# Altium PCB Spektrop2_Processor_Board_V1_draft_v4.PcbDoc (part 3 of 4)
Units mm, origin at the board's own origin, x right, y up, seen from the top; angles counter-clockwise.
Board outline 42 x 42 mm, 8 copper layers (TOP, L1-GND, L2, L3-1V8, L4-PWR, L5, L6-GND, BTM), stack 1.554 mm thick; 281 components, 241 nets, 1443 pads, 627 vias.
Unrouted connection lines stored in the file: 18.
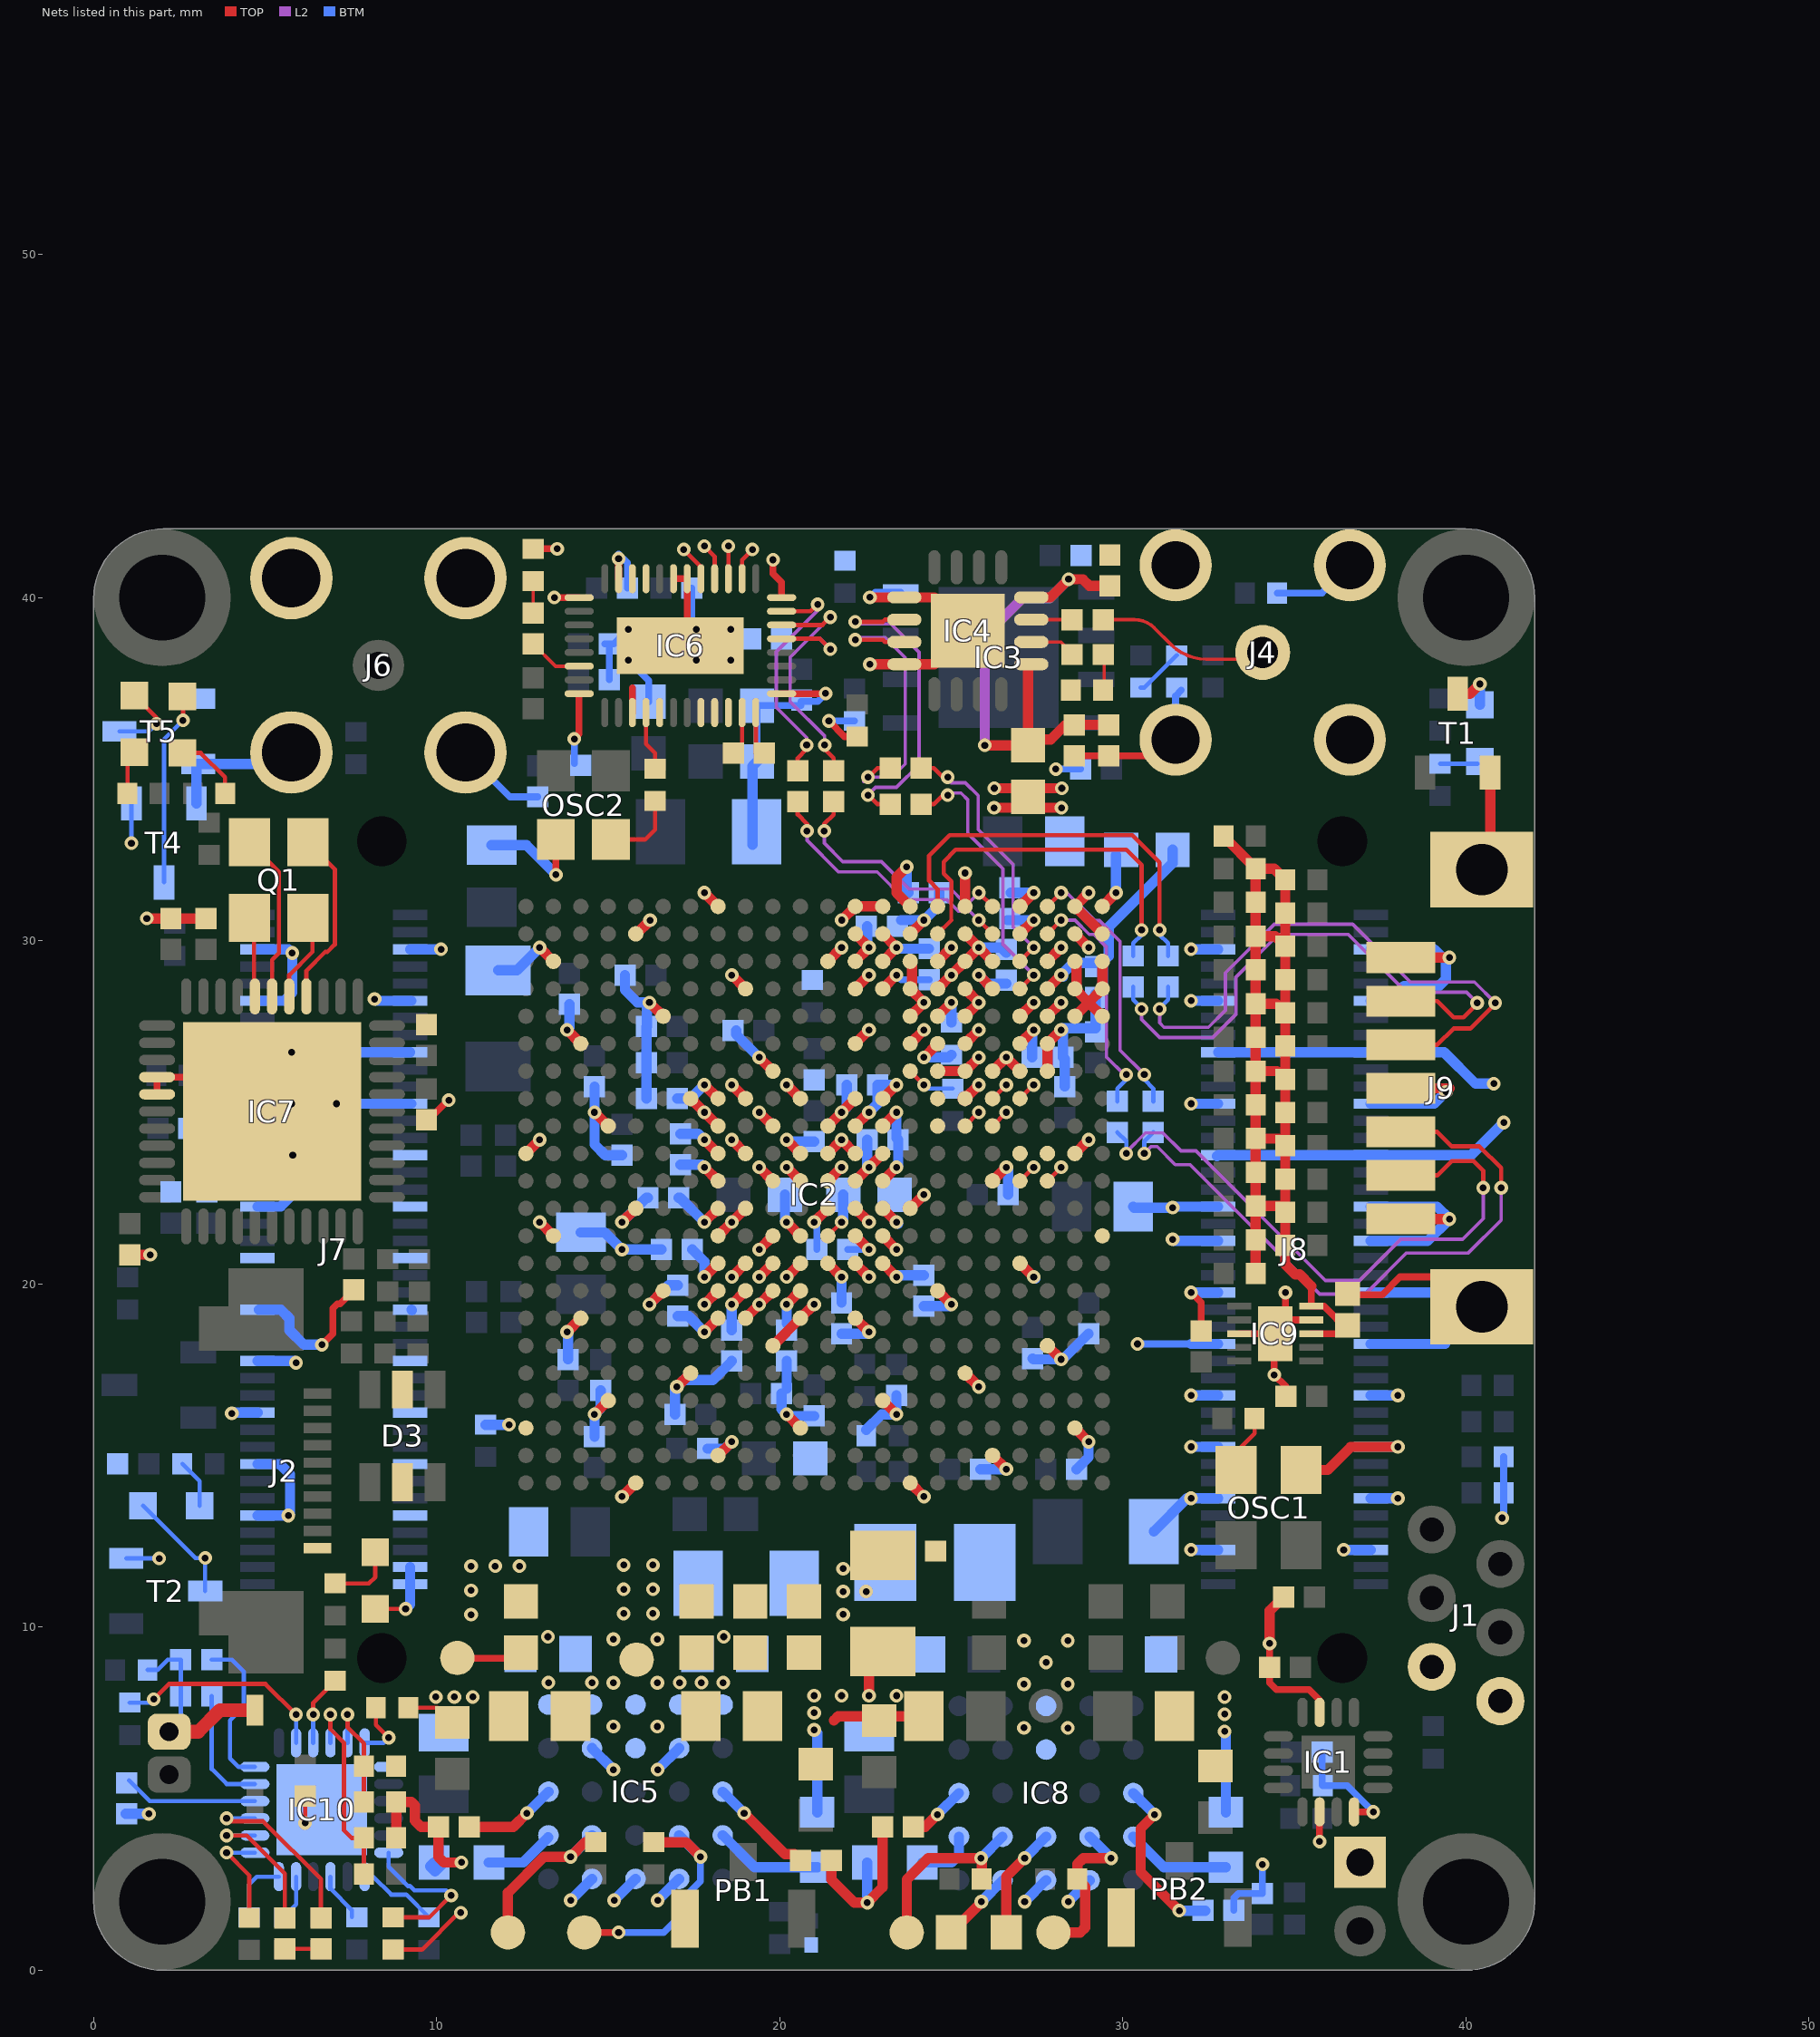
[diagram p9: the nets of this part, all layers, seen from the top]

## Via types
v1: diameter 0.4, hole 0.2, TOP to BTM, 627 vias

## Nets (pads, with @x,y where several pads share a name; then routed paths per layer and width w, separated by ;. In a path a pad name is that pad's centre, name@x,y a point inside that pad or via, vN(x,y) a via of type N, cw(c..) or ccw(c..) an arc to the next point about the centre after c; other vN are vias at no path point) (continued)
GND: C1.1 C2.1 C3.1 C18.2 C19.2 C20.2 C21.2 C22.2 C23.2 C24.2 C25.2 C26.2 C27.2 C28.2 C29.2 C30.2 C31.2 C32.2 C33.2 C34.2 C35.2 C36.2 C37.2 C38.2 C39.2 C40.2 C41.2 C42.2 C43.2 C44.2 C45.2 C46.2 C47.2 C48.2 C49.2 C50.2 C51.2 C52.2 C53.2 C54.2 C55.2 C56.2 C57.2 C58.2 C59.2 C60.2 C61.2 C62.2 C63.2 C64.2 C65.2 C66.2 C67.2 C68.2 C69.2 C70.2 C71.2 C72.2 C73.2 C74.2 C75.2 C76.2 C77.2 C80.2 C81.2 C82.2 C83.2 C84.1 C85.1 C86.1 C87.1 C88.1 C89.1 C90.1 C91.1 C92.1 C93.1 C94.1 C95.1 C96.1 C97.1 C98.1 C99.1 C100.1 C101.1 C102.1 C103.1 C104.1 C105.1 C106.1 C107.1 C113.1 C114.1 C115.1 C116.1 C117.1 C118.1 C119.1 C120.1 C121.1 C122.1 C123.2 C124.1 C125.1 C126.1 C127.1 C128.1 C129.1 C130.1 C131.1 C132.1 C133.1 C134.1 C135.1 D2.2 D3.2 D3.5 IC1.6 IC1.8 IC1.15 IC2.A8 IC2.A18 IC2.AA1 IC2.AA6 IC2.AA9 IC2.AA10 IC2.AA18 IC2.AB2 IC2.AB4 IC2.AB8 IC2.AB9 IC2.AB10 IC2.AB15 IC2.B5 IC2.B15 IC2.C2 IC2.C12 IC2.C22 IC2.D9 IC2.D19 IC2.E6 IC2.E16 IC2.F3 IC2.F13 IC2.G10 IC2.G12 IC2.G14 IC2.G20 IC2.H7 IC2.H13 IC2.H15 IC2.H17 IC2.J4 IC2.J10 IC2.J12 IC2.J14 IC2.K1 IC2.K9 IC2.K13 IC2.K15 IC2.K21 IC2.L8 IC2.L10 IC2.L11 IC2.L14 IC2.L18 IC2.M5 IC2.M9 IC2.M11 IC2.M12 IC2.M13 IC2.M15 IC2.N2 IC2.N10 IC2.N11 IC2.N12 IC2.N14 IC2.N22 IC2.P9 IC2.P11 IC2.P13 IC2.P15 IC2.P19 IC2.R6 IC2.R10 IC2.R12 IC2.R14 IC2.R16 IC2.T3 IC2.T4 IC2.T5 IC2.T6 IC2.T7 IC2.T13 IC2.U3 IC2.U10 IC2.U20 IC2.V1 IC2.V2 IC2.V3 IC2.V4 IC2.V6 IC2.V8 IC2.V17 IC2.W1 IC2.W2 IC2.W6 IC2.W7 IC2.W8 IC2.W10 IC2.W14 IC2.Y1 IC2.Y2 IC2.Y3 IC2.Y5 IC2.Y6 IC2.Y8 IC2.Y9 IC2.Y10 IC2.Y11 IC2.Y21 IC3.4 IC4.1 IC4.4 IC4.17 IC5.B5 IC5.C1 IC5.C2 IC5.C5 IC5.D5 IC6.1 IC6.8 IC6.14 IC6.15 IC6.19 IC6.21 IC6.28 IC6.31 IC6.37 IC6.38 IC6.41 IC7.15 IC7.16 IC7.45 IC8.B5 IC8.C1 IC8.C2 IC8.C5 IC8.D5 IC9.4 IC9.8 IC9.11 IC10.7 IC10.25 J1.5 J1.6 J2.10 J4.2 J5.2 J6.2 J7.5 J7.6 J7.11 J7.12 J7.17 J7.18 J7.23 J7.24 J7.29 J7.30 J7.35 J7.36 J7.41 J7.42 J7.47 J7.48 J7.53 J7.54 J7.59 J7.60 J7.65 J7.66 J7.71 J7.72 J7.77 J7.79 J8.5 J8.6 J8.11 J8.12 J8.17 J8.18 J8.23 J8.24 J8.29 J8.30 J8.35 J8.36 J8.39 J8.40 J8.45 J8.46 J8.51 J8.52 J8.57 J8.58 J8.63 J8.64 J8.69 J8.70 J8.75 J8.76 J9.1 J9.4 J9.7 J9.8 L2.2 LD7.2 OSC1.2 OSC2.2 PB1.2 PB2.2 R3.1 R9.1 R15.2 R16.2 R17.2 R18.2 R20.2 R27.2 R28.2 R29.2 R31.1 R32.1 R33.1 R36.1 R37.1 R40.1 R50.1 R52.1 R53.1 R54.1 R59.1 R66.2 R78.2 T1.2 T2.2 T4.2 T5.2 | length 310.5
  TOP w0.125: C103.1@5.575,0.62 C107.1@6.625,0.62 ; v1(6.164,4.289) C102.1@6.164,5.075 ; LD7.2@8.209,10.528 v1(9.092,10.528) ; R53.1@8.725,0.6 9.575,0.6 10.65,1.675 v1(10.701,1.675) ; R52.1@9.167,7.65 10.02,7.65 C86.1@10.45,7.22
  TOP w0.2: IC7.16@1.85,25.525 IC7.15@1.85,26.025 IC7.45@4.2,26.025 ; v1(6.65,18.225) 6.97,18.545 6.97,19.284 7.11,19.423 7.179,19.423 C117.1@7.58,19.825 ; C116.1@9.704,24.726 10.337,25.359 10.343,25.359 v1(10.351,25.351) ; R66.2@12.812,41.42 v1(13.51,41.42) ; v1(13.429,40) IC6.21@14.15,40 ; v1(13.475,31.925) OSC2.2@13.475,32.95 ; v1(14.009,35.881) 14.15,36.022 IC6.28@14.15,37.2 ; IC6.19@15.3,40.55 v1(15.3,41.135) ; IC6.31@15.7,36.65 15.7,37.371 ; IC6.15@16.9,40.55 IC6.14@17.3,40.55 17.3,38.8 IC6.41@17.1,38.6 ; v1(19.8,41.1) 19.8,40.7 20.05,40.45 IC6.8@20.05,40 ; IC6.1@20.05,37.2 21.328,37.2 v1(21.335,37.208) ; v1(21.429,36.405) 21.886,35.948 R15.2@22.256,35.948 ; C82.2@28.582,35.392 C81.2@29.591,35.392 31.067,35.392 J4.2@31.535,35.86 ; v1(31.985,19.75) 32.275,19.46 C122.1@32.275,18.625 ; IC9.8@33.388,18.55 IC9.11@34.375,18.55 ; v1(34.276,9.522) C1.1@34.276,8.819 34.276,8.378 34.478,8.176 35.429,8.176 35.733,7.872 IC1.15@35.733,7.513 ; IC9.11@34.375,18.95 IC9.4@35.488,18.95 ; IC9.11@34.413,17.95 v1(34.413,17.35) 34.747,17.015 C123.2@34.747,16.729 ; IC9.11@34.738,19.15 v1(34.738,19.75) ; v1(35.733,3.75) IC1.6@35.733,4.613 ; C124.1@36.55,19.685 37.56,19.685 38.079,20.204 39.586,20.204 J9.8@40.46,19.33 ; IC1.8@36.733,4.613 v1(37.295,4.613)
  TOP w0.3: C119.1@1.05,20.85 v1(1.65,20.85) ; v1(1.55,30.65) C120.1@2.25,30.65 C121.1@3.275,30.65 ; v1(5.789,29.642) v1@5.789,29.664 ; IC7.45@7.05,25.275 v1(7.075,25.25) ; R50.1@8.817,3.853 R54.1@8.817,4.902 9.258,4.902 9.362,4.797 9.362,4.357 9.543,4.176 C90.1@10.05,4.176 10.05,3.3 10.21,3.14 v1(10.72,3.14) ; IC2.N22@12.599,23.8 v1(12.999,24.2) ; v1(12.999,21.8) IC2.K21@13.399,21.4 ; v1(12.999,29.8) IC2.Y21@13.399,29.4 ; v1(13.799,18.6) IC2.G20@14.199,19 ; v1(13.799,27.4) IC2.U20@14.199,27 ; v1(14.599,16.2) IC2.D19@14.999,16.6 ; v1(14.599,25) IC2.P19@14.999,24.6 ; v1(15.399,13.8) IC2.A18@15.799,14.2 ; v1(15.399,21.8) IC2.L18@15.799,22.2 ; IC2.AA18@15.819,30.195 v1(16.219,30.595) ; v1(16.199,19.4) IC2.H17@16.599,19.8 ; v1(16.199,28.2) IC2.V17@16.599,27.8 ; v1(16.999,17) IC2.E16@17.399,17.4 ; IC2.R16@17.399,25.4 IC2.P15@18.199,24.6 ; v1(17.799,19.4) IC2.H15@18.199,19.8 ; v1(17.799,23.4) IC2.M15@18.199,23 ; v1(17.799,31.4) IC2.AB15@18.199,31 ; IC2.B15@18.199,15 v1(18.599,15.4) ; IC2.K15@18.199,21.4 v1(18.599,21.8) IC2.L14@18.999,22.2 ; v1(18.599,20.2) IC2.J14@18.999,20.6 ; v1(18.599,24.2) IC2.N14@18.999,23.8 ; v1(18.599,25.8) IC2.R14@18.999,25.4 ; v1(18.599,29) IC2.W14@18.999,28.6 ; IC2.G14@18.999,19 v1(19.399,19.4) IC2.H13@19.799,19.8 ; v1(19.399,21) IC2.K13@19.799,21.4 ; v1(19.399,23.4) IC2.M13@19.799,23 ; v1(19.399,25) IC2.P13@19.799,24.6 ; v1(19.399,26.6) IC2.T13@19.799,26.2 ; IC2.F13@19.799,18.2 IC2.G12@20.599,19 v1(20.999,19.4) ; v1(20.199,16.2) IC2.C12@20.599,15.8 ; v1(20.199,20.2) IC2.J12@20.599,20.6 ; v1(20.199,23.4) IC2.M12@20.599,23 ; v1(20.199,24.2) IC2.N12@20.599,23.8 ; v1(20.199,25.8) IC2.R12@20.599,25.4 ; v1(20.999,21.8) IC2.L11@21.399,22.2 ; IC2.M11@21.399,23 v1(21.799,23.4) ; IC2.N11@21.399,23.8 v1(21.799,24.2) IC2.N10@22.199,23.8 ; IC2.P11@21.399,24.6 IC2.R10@22.199,25.4 ; IC2.Y11@21.399,29.4 v1(21.799,29.8) ; C89.1@21.5,3.2 21.5,2.64 22.17,1.97 v1(22.55,1.97) 22.99,2.41 C99.1@22.99,4.173 ; 21.575,7.275 21.7,7.4 C100.1@24.2,7.4 ; v1(21.8,30.599) IC2.AB10@22.2,30.999 ; IC2.G10@22.199,19 v1(22.599,18.6) ; IC2.J10@22.199,20.6 v1(22.599,20.2) ; IC2.L10@22.199,22.2 v1(22.599,21.8) ; IC2.U10@22.199,27 v1(22.599,27.4) ; IC2.W10@22.199,28.6 v1(22.599,29) ; IC2.Y10@22.199,29.4 v1(22.599,29.8) IC2.AA10@22.199,30.2 ; IC2.AB10@22.199,31 IC2.AB9@22.999,31 ; v1(22.6,8) C55.2@22.6,8.888 ; v1(22.626,38.056) IC4.4@23.629,38.056 24.504,38.056 IC4.17@25.479,39.031 24.504,40.006 IC4.1@23.629,40.006 v1(22.626,40.006) ; IC2.D9@22.999,16.6 v1(23.399,16.2) ; IC2.K9@22.999,21.4 v1(23.399,21) ; IC2.M9@22.999,23 v1(23.399,23.4) ; IC2.P9@22.999,24.6 v1(23.399,25) ; IC2.Y9@22.999,29.4 v1(23.399,29.8) IC2.AA9@22.999,30.2 ; v1(23.7,32.15) 23.4,31.85 23.4,31.399 IC2.AB8@23.799,31 ; IC2.A8@23.799,14.2 v1(24.199,13.8) ; IC2.L8@23.799,22.2 v1(24.199,22.6) ; IC2.V8@23.799,27.8 v1(24.199,28.2) IC2.W8@23.799,28.6 23.849,28.65 23.849,29.4 IC2.Y8@23.799,29.4 ; IC2.H7@24.599,19.8 v1(24.999,19.4) ; IC2.T7@24.599,26.2 IC2.T6@25.399,26.2 v1(25.799,26.6) ; IC2.W7@24.599,28.6 v1(24.999,29) IC2.Y6@25.399,29.4 25.799,29.799 v1(25.8,29.799) ; R40.1@25,1.1 25.875,1.975 v1(25.875,1.995) ; IC2.E6@25.399,17.4 v1(25.799,17) ; IC2.R6@25.399,25.4 v1(25.799,25.8) ; IC2.V6@25.399,27.8 v1(25.799,28.2) IC2.W6@25.399,28.6 ; IC2.AA6@25.399,30.2 v1(25.8,29.799) ; IC2.B5@26.199,15 v1(26.599,14.6) ; IC2.M5@26.199,23 v1(26.599,23.4) ; IC2.T5@26.199,26.2 v1(26.599,26.6) IC2.T4@26.999,26.2 ; IC2.Y5@26.2,29.399 v1(25.8,29.799) ; IC2.J4@26.999,20.6 v1(27.399,20.2) ; IC2.V4@26.999,27.8 v1(27.399,28.2) ; IC2.AB4@26.999,31 v1(27.399,31.4) ; IC2.F3@27.799,18.2 v1(28.199,17.8) ; IC2.T3@27.799,26.2 IC2.U3@27.799,27 v1(28.199,27.4) ; IC2.V3@27.799,27.8 v1(28.199,28.2) ; IC2.Y3@27.799,29.4 v1(28.199,29.8) ; IC2.C2@28.599,15.8 v1(28.999,15.4) ; IC2.N2@28.599,23.8 v1(28.999,24.2) ; IC2.V2@28.599,27.8 28.999,28.2 ; IC2.Y2@28.599,29.4 28.649,29.4 28.649,28.65 IC2.W2@28.599,28.6 28.999,28.2 ; v1(28.999,31.4) IC2.AB2@28.599,31 IC2.AA1@29.399,30.2 ; IC2.V1@29.399,27.8 28.999,28.2 ; IC2.Y1@29.399,29.4 IC2.W1@29.399,28.6 28.999,28.2 ; v1(34.276,9.522) 34.276,10.473 C74.2@34.68,10.876 ; OSC1.2@35.193,14.578 35.972,14.578 36.643,15.25 v1(38.015,15.25) ; J9.7@38.1,21.89 v1(39.515,21.89) ; J9.4@38.1,25.7 v1@39.515,25.7 ; J9.1@38.1,29.51 v1(39.515,29.51) ; J9.8@40.703,32.313 T1.2@40.703,34.897
  TOP w0.4: J5.2@2.2,6.95 3.05,6.95 3.675,7.575 D2.2@4.7,7.575
  L2 w0.2: v1(10.351,25.351) v1@10.351,25.424
  BTM w0.125: T2.2@0.95,12 v1(1.91,12) ; R59.1@1.57,8.75 1.86,8.75 2.158,9.048 C104.1@2.54,9.048 C105.1@2.54,7.988 2.54,7.29 J5.2@2.2,6.95 ; IC10.25@6.15,4.275 v1(6.164,4.289) ; v1(10.701,1.675) v1@10.725,1.7
  BTM w0.2: J6.2@10.84,35.485 12.133,34.192 C113.1@12.944,34.192 ; C128.1@14.009,35.16 v1(14.009,35.881) ; C132.1@14.897,38.649 15.167,38.649 v1(15.589,39.071) ; C133.1@15.034,37.61 C132.1@15.034,38.649 ; v1@15.3,41.271 15.556,41.015 C125.1@15.556,40.281 ; v1(15.589,38.171) 16.175,37.585 C127.1@16.175,36.964 ; C126.1@17.439,40.277 17.439,39.196 v1(17.564,39.071) ; C131.1@19.337,35.268 C130.1@19.337,36.851 C129.1@20.614,36.851 ; v1(20.199,16.2) v1@20.249,16.15 ; C129.1@20.614,36.972 21.1,36.972 v1(21.335,37.208) ; v1(20.999,21.8) 21.083,21.715 C56.2@21.083,21.002 ; v1(21.429,36.405) R17.2@22.17,36.405 ; v1(22.626,40.006) 22.78,40.159 IC3.4@23.52,40.159 ; v1(28.043,35.002) C77.2@28.77,35.002 ; v1(30.425,18.25) 31.985,18.25 ; J4.2@31.535,35.86 31.535,37.135 R27.2@31.7,37.3 ; C98.1@33.23,1.741 33.23,2.099 33.366,2.235 C76.2@34.066,2.235 v1(34.066,3.084) ; R16.2@34.495,40.125 35.8,40.125 J4.2@36.615,40.94 ; C2.1@35.805,6.356 35.805,5.389 R3.1@35.821,5.372 36.535,5.372 v1(37.295,4.613) ; v1(41.051,13.177) 41.097,13.222 R29.2@41.097,13.915 R28.2@41.097,14.96
  BTM w0.3: C106.1@0.931,4.555 v1(1.611,4.555) ; T4.2@3,34 T5.2@3,35.1 ; T5.2@3.05,35.15 5.425,35.15 J6.2@5.76,35.485 ; v1(4.025,16.226) 4.049,16.25 J7.60@4.775,16.25 ; J7.72@4.775,13.25 v1(5.675,13.25) 5.725,13.3 5.725,14.45 5.425,14.75 J7.66@4.775,14.75 ; J7.54@4.775,17.75 5.851,17.75 v1(5.9,17.701) ; J7.36@4.775,22.25 5.45,22.25 5.804,22.604 v1(5.804,23.75) J7.30@4.775,23.75 ; J7.18@4.775,26.75 v1(5.764,26.75) ; J7.12@4.775,28.25 5.55,28.25 5.789,28.489 v1(5.789,29.642) 5.681,29.75 J7.6@4.775,29.75 ; J7.48@4.814,19.25 5.45,19.25 5.706,18.994 5.706,18.654 6.135,18.225 v1(6.65,18.225) ; J7.24@4.814,25.25 v1(5.764,25.25) ; v1(8.188,28.3) 8.237,28.25 J7.11@9.225,28.25 J7.11@9.264,28.25 ; v1(9.092,10.528) 9.225,10.661 J7.79@9.225,11.25 J7.77@9.225,11.75 ; J7.17@9.225,26.75 7.514,26.75 7.075,26.311 v1(7.075,25.25) J7.23@9.225,25.25 J7.23@9.264,25.25 ; J7.5@9.225,29.75 v1(10.125,29.75) ; J7.47@9.264,19.25 J7.47@9.277,19.238 ; R32.1@9.92,3.14 9.805,3.025 9.95,2.88 10.21,3.14 v1(10.72,3.14) ; R20.2@11.425,15.895 v1(12.105,15.895) ; C29.2@11.598,32.782 12.618,32.782 v1(13.475,31.925) ; C66.2@11.789,29.135 12.335,29.135 v1(12.999,29.8) ; v1(13.799,18.6) 13.824,18.575 C63.2@13.824,17.8 ; v1(13.799,27.4) 13.869,27.47 C43.2@13.869,28.15 ; v1(13.904,2.035) IC5.B5@14.529,2.66 ; C32.2@14.199,21.5 14.899,21.5 v1(15.399,21) C37.2@16.549,21 ; C65.2@14.599,15.55 v1(14.599,16.2) ; v1(14.599,16.2) 14.779,16.379 C70.2@14.779,16.892 ; C45.2@14.599,25.75 v1(14.599,25) 14.599,24.062 14.912,23.75 C64.2@15.399,23.75 ; v1(15.17,2.035) IC5.C5@15.795,2.66 ; v1(15.399,21.8) 16.109,22.51 C34.2@16.149,22.51 ; C31.2@15.486,28.991 15.486,28.565 15.852,28.2 v1(16.199,28.2) 16.124,28.125 16.124,27.5 16.114,27.49 16.114,26.5 C22.2@16.114,25.4 ; v1(16.199,19.4) 16.759,19.96 C35.2@17.024,19.96 ; v1(16.44,2.035) IC5.D5@17.065,2.66 ; C53.2@16.949,16.2 16.949,16.95 v1(16.999,17) 17.199,17.2 18.049,17.2 C33.2@18.599,17.75 ; C39.2@17.099,23.475 17.724,23.475 v1(17.799,23.4) ; C71.2@17.899,15.2 18.399,15.2 v1(18.599,15.4) ; C44.2@18.724,27.385 18.724,27.275 v1(19.399,26.6) ; C52.2@19.2,32.8 19.2,35.086 C131.1@19.337,35.224 C131.1@19.356,35.242 ; C72.2@20.049,16.8 20.049,16.35 v1(20.199,16.2) ; C72.2@20.199,16.95 C25.2@20.199,17.75 ; v1(20.199,24.2) 20.249,24.15 C51.2@20.999,24.15 ; v1(20.199,25.8) v1@20.209,25.79 ; v1@20.249,16.15 C54.2@20.999,16.15 ; v1@20.949,19.35 v1(20.999,19.4) ; v1(21,7) 21.09,6.91 R33.1@21.09,4.6 ; C36.2@21.799,18.55 22.549,18.55 v1(22.599,18.6) ; v1(21.799,25) 21.949,25.15 C38.2@21.949,25.8 ; R78.2@22.521,15.749 22.971,16.2 v1(23.399,16.2) C50.2@23.399,16.75 ; C18.2@22.541,30.425 22.541,29.858 v1(22.599,29.8) ; v1(22.55,1.97) R36.1@22.55,3.14 ; v1(23.399,23.4) 23.449,23.45 C57.2@23.449,24.2 23.399,24.25 v1(23.399,25) ; v1(23.399,29.8) 23.431,29.768 C47.2@24.349,29.768 ; v1(23.7,32.15) 23.7,31.449 C20.2@23.749,31.4 ; C23.2@24.199,19.35 24.949,19.35 v1(24.999,19.4) ; v1(25.8,29.799) 26.451,29.799 C46.2@26.6,29.65 ; C61.2@25.849,14.6 v1(26.599,14.6) ; v1(25.875,1.995) IC8.B5@26.5,2.62 ; v1@26.549,23.35 v1(26.599,23.4) 26.649,23.35 C40.2@26.649,22.6 ; C19.2@26.734,31.4 v1(27.399,31.4) ; v1(27.135,1.995) IC8.C5@27.76,2.62 ; C41.2@27.364,17.826 27.391,17.8 v1(28.199,17.8) 28.249,17.8 C27.2@28.999,18.55 ; v1(27.399,20.2) v1@27.449,20.15 ; v1(28.199,29.8) v1@28.234,29.834 ; C42.2@28.3,25.75 28.3,26.549 C48.2@28.249,26.6 28.249,27.35 v1(28.199,27.4) 28.249,27.45 C28.2@29.199,27.45 ; v1(28.405,1.995) IC8.D5@29.03,2.62 ; C60.2@28.652,14.602 28.999,14.948 v1(28.999,15.4) ; C28.2@29.2,27.45 C58.2@29.2,28.45 ; C62.2@30.3,22.25 30.328,22.222 v1(31.45,22.222) ; C69.2@30.898,12.784 31.864,13.75 v1(31.985,13.75) J8.70@32.775,13.75 ; v1@31.503,21.25 J8.40@32.775,21.25 ; v1@31.503,22.25 J8.36@32.775,22.25 ; v1(31.985,12.25) J8.76@32.775,12.25 ; v1(31.985,15.25) J8.64@32.775,15.25 ; v1(31.985,16.75) J8.58@32.775,16.75 ; 31.985,18.25 J8.52@32.775,18.25 ; v1(31.985,19.75) J8.46@32.775,19.75 ; v1(31.985,25.25) J8.24@32.775,25.25 ; v1(31.985,28.25) J8.12@32.775,28.25 ; v1(31.985,29.75) J8.6@32.775,29.75 ; J8.30@32.747,23.722 J8.30@32.775,23.75 J8.29@37.225,23.75 40.15,23.75 v1(41.1,24.7) ; J8.18@32.775,26.75 J8.17@37.225,26.75 39.36,26.75 40.277,25.834 v1(40.811,25.834) ; v1(32.965,6.96) 33,6.925 R37.1@33,4.6 ; v1(36.435,12.25) J8.75@37.225,12.25 ; J8.69@37.225,13.75 v1(38.015,13.75) ; J8.63@37.225,15.25 v1(38.015,15.25) ; J8.57@37.225,16.75 v1(38.015,16.75) ; J8.51@37.225,18.25 J9.8@39.383,18.25 ; J8.45@37.225,19.75 J9.8@39.837,19.75 ; J8.39@37.225,21.25 38.878,21.25 39.517,21.888 39.155,22.25 J8.35@37.225,22.25 ; J8.23@37.225,25.25 39.068,25.25 v1(39.415,25.597) ; J8.11@37.225,28.25 37.764,28.25 38.198,28.684 39.216,28.684 39.415,28.883 39.415,29.407 39.072,29.75 J8.5@37.225,29.75
  other v1: 27.115,7.065 28.395,7.06 15.15,7.105 16.43,7.1 32.965,7.46 21,7.5 9.975,7.961 10.513,7.961 11.05,7.961 32.965,7.96 21,8 21.8,8 23.4,8 27.115,8.335 28.395,8.335 15.15,8.375 16.43,8.375 27.76,8.97 27.115,9.605 28.395,9.605 15.15,9.645 16.43,9.645 31.45,21.297 17.799,25 17.564,38.171 18.564,38.171 18.564,39.071
GS12281_GPIO0: IC2.M4 IC6.36 | length 0.6
  TOP w0.125: IC2.M4@26.999,23 v1(27.399,23.4)
GS12281_GPIO1: IC2.M3 IC6.33 | length 0.6
  TOP w0.125: IC2.M3@27.799,23 v1(28.199,23.4)
GS12281_GPIO2: IC2.R5 IC6.18 | length 0.6
  TOP w0.125: IC2.R5@26.199,25.4 v1(26.599,25.8)
GS12281_GPIO3: IC2.R4 IC6.17 | length 0.6
  TOP w0.125: IC2.R4@26.999,25.4 v1(27.399,25.8)
GS12281_nCS: IC2.P6 IC6.10 | length 1.5
  TOP w0.125: IC6.10@18.9,40.55 18.9,41.1 v1(19.2,41.4) ; IC2.P6@25.399,24.6 v1(25.799,25)
GS12281_SCLK: IC2.P5 IC6.13 | length 1.7
  TOP w0.125: v1(17.2,41.4) v1(17.2,41.4) 17.7,40.902 IC6.13@17.7,40.55 ; IC2.P5@26.199,24.6 v1(26.599,25)
  BTM w0.125: v1@17.2,41.35 v1(17.2,41.4)
GS12281_SDIN: IC2.N4 IC6.11 | length 0.9
  TOP w0.125: IC6.11@18.5,40.55 v1(18.5,41.5)
GS12281_SDOUT: IC2.N3 IC6.12 | length 1.1
  TOP w0.125: v1(17.8,41.5) 18.1,41.2 IC6.12@18.1,40.55
INIT_B: IC2.T8 R8.2 | length 1.4
  TOP w0.125: IC2.T8@23.799,26.2 v1(24.199,25.8)
  BTM w0.125: v1(24.199,25.8) 24.309,25.69 R8.2@25.036,25.69
LED0: IC2.P7 T4.1 | length 1.2
  BTM w0.125: v1(1.1,32.842) T4.1@1.1,34
LED1: IC2.R7 T5.1
MGT_RX0_C_N: C12.2 IC2.AB7 | length 11.7
  TOP w0.125: IC2.AB7@24.599,31 24.599,31.501 24.35,31.75 24.35,32.476 24.949,33.075 30.276,33.075 31.069,32.282 v1(31.069,30.311)
  BTM w0.125: v1(31.069,30.311) 31.069,30.174 31.314,29.929 C12.2@31.314,29.556
MGT_RX0_C_P: C10.2 IC2.AA7 | length 11.2
  TOP w0.1: 24.999,30.6 24.999,31.165
  TOP w0.125: IC2.AA7@24.599,30.2 24.999,30.6 ; 24.999,31.165 24.999,31.731 24.775,31.955 24.775,32.3 25.125,32.65 30.1,32.65 30.544,32.206 v1(30.544,30.311)
  BTM w0.125: C10.2@30.298,29.556 30.298,29.929 30.544,30.174 v1(30.544,30.311)
MGT_RX0_N: C12.1 J9.3 | length 17.2
  TOP w0.125: J9.3@38.1,26.97 39.162,26.97 39.635,27.443 40.126,27.443 40.849,28.165 v1(40.849,28.188)
  L2 w0.1: v1@31.063,27.816 v1@31.069,27.822 ; v1(31.069,28.011) v1@31.069,27.822 ; v1@31.163,27.916 v1@31.069,27.822 ; v1(40.849,28.188) 40.849,28.194 40.244,28.799 38.378,28.799 36.695,30.482 34.412,30.482 32.99,29.06 32.99,27.975 32.491,27.476 31.199,27.476 31.069,27.607 v1@31.069,27.822
  BTM w0.125: v1(31.069,28.011) 31.069,28.038 31.314,28.284 C12.1@31.314,28.656
MGT_RX0_P: C10.1 J9.2 | length 16.4
  TOP w0.125: J9.2@38.1,28.24 39.162,28.24 39.635,27.768 39.927,27.768 40.324,28.164 v1(40.324,28.188)
  L2 w0.1: v1(30.544,28.011) 30.544,27.708 31.075,27.176 32.616,27.176 33.29,27.85 33.29,28.936 34.536,30.182 36.57,30.182 38.254,28.499 40.014,28.499 v1(40.324,28.188)
  BTM w0.125: C10.1@30.298,28.656 30.298,28.284 30.544,28.038 v1(30.544,28.011)
MGT_TX0_C_N: C9.1 IC2.AB3 | length 7.9
  TOP w0.125: IC2.AB3@27.799,31 v1(28.199,31.4)
  L2 w0.1: v1(28.199,31.4) 28.366,31.4 29.183,30.583 29.317,30.583 29.917,29.983 29.917,26.811 30.623,26.105 v1(30.623,26.1)
  BTM w0.125: v1(30.623,26.1) 30.623,25.95 30.884,25.689 C9.1@30.884,25.317
MGT_TX0_C_P: C8.1 IC2.AA3 | length 7.1
  TOP w0.125: IC2.AA3@27.799,30.2 v1(28.199,30.6) ; v1(30.098,26.1) v1@30.148,26.1
  L2 w0.1: v1(28.199,30.6) 28.6,30.6 29.017,30.183 29.151,30.183 29.517,29.817 29.517,26.617 30.052,26.082 v1@30.081,26.082
  BTM w0.125: C8.1@29.837,25.317 29.837,25.689 30.098,25.95 v1(30.098,26.1)
MGT_TX0_N: C9.2 J9.5 | length 18.8
  TOP w0.125: J9.5@38.1,24.43 39.162,24.43 39.585,24.007 40.394,24.007 41.025,23.376 v1(41.025,22.8)
  L2 w0.1: v1(30.623,23.8) 30.823,24 31,24 31.525,23.475 31.959,23.475 35.734,19.7 37.066,19.7 38.266,20.9 38.8,20.9 40.066,20.9 41.025,21.859 v1(41.025,22.8)
  BTM w0.125: v1(30.623,23.8) 30.623,24.156 C9.2@30.884,24.417
MGT_TX0_P: C8.2 J9.6 | length 18
  TOP w0.125: J9.6@38.1,23.16 39.162,23.16 39.585,23.582 40.218,23.582 40.5,23.3 v1(40.5,22.8)
  L2 w0.1: v1(30.098,23.8) 30.098,23.841 30.658,24.4 31.166,24.4 31.691,23.875 32.125,23.875 35.9,20.1 36.9,20.1 38.1,21.3 38.8,21.3 39.9,21.3 40.5,21.9 v1(40.5,22.8)
  BTM w0.125: C8.2@29.837,24.417 30.098,24.156 v1(30.098,23.8)
MGT_TX1_C_N: C13.1 IC2.Y4 | length 7.5
  TOP w0.125: C13.1@24.117,35.029 24.489,35.029 24.752,34.767 v1(24.893,34.767) ; IC2.Y4@26.999,29.4 v1(27.399,29.8)
  L2 w0.1: v1@24.996,34.603 25.406,34.603 25.78,34.228 25.78,33.244 26.8,32.224 26.8,30.399 v1(27.399,29.8)
MGT_TX1_C_P: C11.1 IC2.W4 | length 8
  TOP w0.125: C11.1@24.117,33.98 24.489,33.98 24.752,34.242 v1(24.893,34.242) ; IC2.W4@26.999,28.6 v1(27.399,29)
  L2 w0.1: v1(24.893,34.242) 24.954,34.303 25.282,34.303 25.48,34.104 25.48,33.12 26.5,32.1 26.5,29.899 v1(27.399,29)
MGT_TX1_N: C13.2 IC4.3 | length 8.5
  TOP w0.125: v1(22.2,38.768) 23.004,38.768 23.066,38.706 IC4.3@23.629,38.706 ; v1(22.568,34.767) 22.582,34.767 22.844,35.029 C13.2@23.217,35.029
  L2 w0.1: v1(22.2,38.768) 22.263,38.831 23.069,38.831 23.656,38.244 23.656,35.148 23.275,34.767 v1(22.568,34.767) v1@22.443,34.642
MGT_TX1_P: C11.2 IC4.2 | length 9.6
  TOP w0.125: v1(22.2,39.293) 23.004,39.293 23.066,39.356 IC4.2@23.629,39.356 ; v1(22.568,34.242) 22.582,34.242 22.844,33.98 C11.2@23.217,33.98
  L2 w0.1: v1(22.2,39.293) 22.263,39.231 23.235,39.231 24.056,38.41 24.056,35.124 23.399,34.467 22.793,34.467 v1(22.568,34.242)
MGT_TX2_C_N: C15.1 IC2.AB5 | length 7.8
  TOP w0.125: C15.1@20.52,34.051 20.52,33.678 20.794,33.405 v1(20.794,33.2) ; v1(25.799,31.4) IC2.AB5@26.199,31
  L2 w0.1: v1(20.794,33.2) 20.794,32.922 21.71,32.006 22.836,32.006 23.639,31.203 24.864,31.203 25.208,30.858 25.54,30.858 25.799,30.6
MGT_TX2_C_P: C14.1 IC2.AA5 | length 7.2
  TOP w0.125: v1(21.294,33.2) 21.294,33.403 21.568,33.677 C14.1@21.568,34.049 ; v1(25.799,30.6) IC2.AA5@26.199,30.2
  L2 w0.1: v1(21.294,33.2) 21.294,32.846 21.834,32.306 22.96,32.306 23.763,31.503 24.988,31.503 25.332,31.158 25.558,31.158 25.799,31.4
MGT_TX2_N: C15.2 IC6.7 | length 6.9
  TOP w0.125: IC6.7@20.05,39.6 20.9,39.6 v1(21.1,39.8) ; C15.2@20.52,34.951 20.52,35.323 20.782,35.584 v1(20.782,35.7)
  L2 w0.1: v1(20.782,35.7) 20.782,35.918 19.9,36.8 19.9,38.423 v1@21.188,39.712
MGT_TX2_P: C14.2 IC6.6 | length 7
  TOP w0.125: IC6.6@20.05,39.2 21.242,39.2 v1(21.471,39.429) ; v1(21.307,35.7) 21.307,35.583 21.568,35.322 C14.2@21.568,34.951
  L2 w0.1: v1(21.307,35.7) 21.307,35.959 20.3,36.966 20.3,38.258 v1(21.471,39.429)
MGTAVCC: C46.1 C47.1 C48.1 IC2.U4 IC2.U6 IC2.U8 IC2.W5 IC2.W9 L7.2 | length 5.6
  TOP w0.3: IC2.W9@22.999,28.6 v1(23.399,29) ; IC2.U8@23.799,27 v1(24.199,27.4) ; IC2.U6@25.399,27 v1(25.799,27.4) ; v1(25.8,28.999) IC2.W5@26.199,28.6 ; IC2.U4@26.999,27 v1(27.399,27.4)
  BTM w0.2: v1(23.399,29) 23.531,28.868 C47.1@24.349,28.868 ; v1@27.349,27.35 v1(27.399,27.4)
  BTM w0.3: v1(25.8,28.999) 26.05,28.75 C46.1@26.6,28.75 ; C48.1@27.349,26.6 v1@27.349,27.35
  other v1: 15.45,10.394 16.3,10.394 15.45,11.1 16.3,11.1 15.45,11.806 16.3,11.806
MGTAVTT: C18.1 C19.1 C20.1 IC2.AA2 IC2.AA4 IC2.AA8 IC2.AB1 IC2.AB6 IC2.Y7 L3.1 L10.2 | length 7.4
  TOP w0.3: IC2.AA8@23.799,30.2 v1(24.199,30.6) ; IC2.Y7@24.599,29.4 v1(24.999,29.8) ; IC2.AB6@25.399,31 v1(25.399,31.974) ; IC2.AA4@26.999,30.2 v1(27.399,30.6) ; IC2.AA2@28.599,30.2 v1(29,29.801) ; IC2.AB1@29.399,31 v1(29.799,31.4)
  BTM w0.2: C18.1@23.499,30.57 C18.1@23.528,30.6
  BTM w0.3: C18.1@23.528,30.6 v1(24.199,30.6) 24.649,31.05 C20.1@24.649,31.4 ; C19.1@26.634,30.6 v1(27.399,30.6) ; v1(29.799,31.4) L3.1@29.799,32.5
  other v1: 11,10.361 11,11.067 11,11.773 11.706,11.773 12.412,11.773
MGTAVTTRCAL: IC2.V7 R13.1 | length 1.2
  TOP w0.3: IC2.V7@24.599,27.8 v1(24.999,28.2)
  BTM w0.3: R13.1@24.999,27.616 v1(24.999,28.2) v1@25.036,28.163
MGTRREF: IC2.U7 R13.2 | length 1.5
  TOP w0.3: v1(24.199,26.6) IC2.U7@24.599,27
  BTM w0.3: v1@24.239,26.64 v1(24.199,26.6) 24.922,26.6 R13.2@24.999,26.676
MGTVCCAUX: C58.1 IC2.W3 L3.2 | length 6.1
  TOP w0.3: IC2.W3@27.799,28.6 v1(28.199,29)
  BTM w0.3: v1@28.249,28.95 v1(28.199,29) 28.55,29.35 29.363,29.35 29.583,29.554 29.583,30.393 31.45,32.26 L3.2@31.45,32.651
NetB2_1: B2.1 IC5.D4 R34.2 | length 7.4
  TOP w0.2: B2.1@14.301,1.1 v1(15.3,1.1)
  TOP w0.3: R34.2@16.319,3.73 17.265,3.73 v1(17.69,3.305)
  BTM w0.2: v1(15.3,1.1) 16.61,1.1 17.3,1.79 17.3,2.203 17.69,2.593 v1(17.69,3.305)
  BTM w0.3: IC5.D4@17.065,3.93 v1(17.69,3.305)
NetB3_1: B3.1 IC5.B4 R35.2 | length 5.2
  TOP w0.3: B3.1@12.074,1.1 12.074,2.256 13.123,3.305 v1(13.9,3.305) 14.325,3.73 R35.2@14.63,3.73
  BTM w0.3: v1(13.9,3.305) IC5.B4@14.525,3.93
NetB6_1: B6.1 IC8.D4 R38.2 | length 4.9
  TOP w0.3: B6.1@27.975,1.1 28.756,1.1 28.901,1.244 28.901,2.429 R38.2@28.67,2.66 28.67,3.09 28.845,3.265 v1(29.655,3.265)
  BTM w0.3: IC8.D4@29.03,3.89 v1(29.655,3.265)
NetB8_1: B8.1 IC8.B4 R39.2 | length 5.5
  TOP w0.3: B8.1@23.7,1.1 23.7,2.641 24.324,3.265 v1(25.865,3.265) 25.885,3.245 R39.2@25.885,2.66
  BTM w0.3: v1(25.865,3.265) IC8.B4@26.49,3.89
NetC78_1: C78.1 J4.1 | length 5.1
  TOP w0.1: C78.1@29.422,39.356 30.332,39.356 cw(c30.332,38.529) 30.917,39.114 31.4,38.631 ccw(c32.431,39.662) 32.431,38.204 33.601,38.204 ccw(c33.601,38.874) J4.1@34.075,38.4
NetC78_2: C78.2 IC4.11 | length 1.2
  TOP w0.1: IC4.11@27.329,39.356 C78.2@28.554,39.356
NetC79_1: C79.1 R31.2 | length 1
  TOP w0.1: R31.2@29.454,37.311 C79.1@29.454,38.34
  TOP w0.125: R31.2@29.454,37.311 R31.2@29.459,37.306
NetC79_2: C79.2 IC4.10 | length 1.4
  TOP w0.1: IC4.10@27.329,38.706 28.188,38.706 C79.2@28.554,38.34
NetC80_1: C80.1 C81.1 C82.1 IC4.9 IC4.12 L9.2 | length 15.2
  TOP w0.3: v1(25.974,35.694) L9.2@27.235,35.694 ; IC4.9@27.329,38.056 27.235,37.962 L9.2@27.235,35.694 ; IC4.12@27.329,40.006 27.888,40.006 v1(28.416,40.534) 28.829,40.534 29.019,40.344 C80.1@29.619,40.344 ; C81.1@29.591,36.292 C82.1@28.582,36.292 28.323,36.292 27.891,35.86 27.401,35.86 L9.2@27.235,35.694
  L2 w0.3: v1(25.974,35.694) 25.974,38.883 27.07,39.979 27.861,39.979 v1(28.416,40.534) cw(c28.47,40.481) v1@28.47,40.556
NetC89_2: C89.2 IC5.E3 | length 3.1
  TOP w0.3: v1(18.96,4.575) 20.155,3.38 20.42,3.38 C89.2@20.6,3.2
  BTM w0.3: IC5.E3@18.335,5.2 v1(18.96,4.575)
NetC90_2: C90.2 IC5.A3 | length 2.7
  TOP w0.3: C90.2@10.95,4.176 12.231,4.176 v1(12.63,4.575)
  BTM w0.3: v1(12.63,4.575) IC5.A3@13.255,5.2
NetC98_2: C98.2 IC8.E3 | length 5.1
  TOP w0.3: v1(30.925,4.535) 30.516,4.126 30.516,2.861 v1(31.641,1.735)
  BTM w0.3: IC8.E3@30.3,5.16 v1(30.925,4.535) ; v1(31.641,1.735) C98.2@32.4,1.735
NetC99_2: C99.2 IC8.A3 | length 1.7
  TOP w0.3: C99.2@23.89,4.173 24.233,4.173 v1(24.595,4.535)
  BTM w0.3: v1(24.595,4.535) IC8.A3@25.22,5.16
NetC103_2: C103.2 IC10.20 | length 4.3
  TOP w0.125: v1(3.875,3.925) 4.465,3.925 5.575,2.815 C103.2@5.575,1.52
  BTM w0.125: v1(3.875,3.925) IC10.20@4.7,3.925
NetC104_2: C104.2 IC10.24 | length 4.6
  BTM w0.125: C104.2@3.44,9.048 4.029,9.048 4.375,8.703 4.375,7.681 3.975,7.281 3.975,6.175 4.225,5.925 IC10.24@4.7,5.925
NetC105_2: C105.2 IC10.23 | length 3.6
  BTM w0.125: C105.2@3.44,7.988 3.44,5.86 3.875,5.425 IC10.23@4.7,5.425
NetC106_2: C106.2 IC10.22 | length 3.9
  BTM w0.125: C106.2@1.025,5.529 1.629,4.925 IC10.22@4.7,4.925
NetC107_2: C107.2 IC10.21 | length 5.4
  TOP w0.125: v1(3.875,4.425) 3.963,4.337 4.941,4.337 6.625,2.653 C107.2@6.625,1.52
  BTM w0.125: v1(3.875,4.425) IC10.21@4.7,4.425
NetC112_1: C112.1 IC6.40 | length 1.5
  TOP w0.125: IC6.40@19.3,36.65 19.3,35.477 C112.1@19.633,35.477
NetC112_2: C112.2 IC6.39 | length 1.2
  TOP w0.125: C112.2@18.733,35.477 18.9,35.644 IC6.39@18.9,36.65
NetC114_2: C114.2 IC6.5 | length 3.1
  TOP w0.125: IC6.5@20.05,38.8 21.167,38.8 v1(21.472,38.495)
  BTM w0.125: C114.2@20.05,38.8 21.167,38.8 v1(21.472,38.495)
NetIC2_K11: IC2.K11 L2.1 | length 1.3
  TOP w0.125: IC2.K11@21.399,21.4 v1(21.799,21.8)
  BTM w0.3: v1@21.849,21.85 L2.1@21.849,22.6
NetIC2_K12: IC2.K12 L1.1 | length 1.4
  TOP w0.3: v1(20.199,21.8) IC2.K12@20.599,21.4
  BTM w0.3: L1.1@20.149,22.6 20.149,21.85 v1(20.199,21.8)
NetIC5_A4: IC5.A4 R32.2 | length 2
  BTM w0.3: R32.2@11.52,3.14 12.519,3.14 IC5.A4@13.25,3.871
NetIC5_E4: IC5.E4 R33.2 | length 3.1
  BTM w0.3: IC5.E4@18.335,3.93 19.265,3 R33.2@21.09,3
NetIC6_32: IC6.32 R67.2 | length 1.7
  TOP w0.125: IC6.32@16.1,36.65 16.1,35.73 16.361,35.47 R67.2@16.361,35.015
NetIC7_4: IC7.4 Q1.4 | length 5.2
  TOP w0.125: IC7.4@6.2,28.375 6.2,29.124 6.751,29.675 6.816,29.675 7.03,29.889 7.03,32.079 Q1.4@6.243,32.867
NetIC7_5: IC7.5 Q1.3 | length 2.1
  TOP w0.125: IC7.5@5.7,28.375 5.7,29 6.375,29.675 Q1.3@6.375,30.2
NetIC7_6: IC7.6 Q1.1 | length 4.9
  TOP w0.125: Q1.1@4.543,32.867 5.401,32.008 5.401,29.642 5.2,29.441 IC7.6@5.2,28.375
NetIC7_7: IC7.7 Q1.2 | length 1.8
  TOP w0.125: Q1.2@4.675,30.2 4.675,28.4 IC7.7@4.7,28.375
NetIC8_A4: IC8.A4 R36.2 | length 1.7
  BTM w0.3: R36.2@24.15,3.14 25.003,3.14 25.22,3.357 IC8.A4@25.22,3.89
NetIC8_C4: IC8.C4 R40.2 | length 3.3
  TOP w0.3: R40.2@26.6,1.1 26.6,2.73 v1(27.135,3.265)
  BTM w0.3: v1(27.135,3.265) IC8.C4@27.76,3.89
NetIC8_E4: IC8.E4 R37.2 | length 3.1
  BTM w0.3: IC8.E4@30.3,3.89 31.19,3 R37.2@33,3
NetIC10_2: IC10.2 R45.2 | length 6.3
  TOP w0.125: v1(1.75,7.894) 2.196,8.34 5.01,8.34 v1(5.9,7.45)
  BTM w0.125: R45.2@1.05,7.795 1.651,7.795 v1(1.75,7.894) ; IC10.2@5.9,6.625 v1(5.9,7.45)
NetIC10_3: IC10.3 R46.2 | length 2.1
  TOP w0.125: v1(6.4,7.45) 6.4,7.79 R46.2@7.04,8.43
  BTM w0.125: IC10.3@6.4,6.625 v1(6.4,7.45)
NetIC10_4: IC10.4 R47.2 R50.2 | length 6.1
  TOP w0.125: v1(6.9,7.45) 6.9,7.022 7.297,6.625 7.297,4.071 7.514,3.853 R50.2@7.878,3.853 R47.2@7.878,2.805
  BTM w0.125: IC10.4@6.9,6.625 v1(6.9,7.45)
NetIC10_5: IC10.5 R51.2 R54.2 | length 3.6
  TOP w0.125: v1(7.4,7.45) 7.4,7.08 7.878,6.603 R51.2@7.878,5.95 R54.2@7.878,4.902 R54.2@7.878,4.89
  BTM w0.125: IC10.5@7.4,6.625 v1(7.4,7.45)
NetIC10_6: IC10.6 R52.2 | length 1.8
  TOP w0.125: R52.2@8.227,7.65 8.227,7.15 v1(8.6,6.778)
  BTM w0.125: IC10.6@7.9,6.625 8.447,6.625 v1(8.6,6.778)
NetIC10_12: IC10.12 R53.2 | length 4.5
  TOP w0.125: R53.2@8.725,1.54 9.784,1.54 v1(10.42,2.176)
  BTM w0.125: IC10.12@8.6,3.425 8.6,3.01 9.158,2.452 9.216,2.452 9.344,2.325 10.271,2.325 v1(10.42,2.176)
NetIC10_13: IC10.13 R55.2 | length 2.4
  BTM w0.125: IC10.13@7.9,2.725 8.15,2.725 8.673,2.202 9.113,2.202 R55.2@9.775,1.54
NetIC10_18: IC10.18 R56.1 | length 1.9
  BTM w0.125: R56.1@4.525,1.545 4.525,2.5 4.75,2.725 IC10.18@5.4,2.725
NetIC10_19: IC10.19 R57.2 | length 3
  TOP w0.125: v1(3.875,3.425) 4.535,2.765 R57.2@4.535,1.53
  BTM w0.125: v1(3.875,3.425) IC10.19@4.7,3.425
NetJ3_1: J3.1 R21.2 R27.1 | length 1.4
  BTM w0.125: R21.2@30.518,37.377 30.631,37.377 R27.1@31.571,38.317
NetLD1_1: LD1.1 R10.1 | length 1.1
  BTM w0.125: R10.1@39.242,35.157 LD1.1@40.338,35.157
NetLD1_2: LD1.2 T1.3 | length 1.4
  TOP w0.3: T1.3@39.753,37.197 40.12,37.197 v1(40.403,37.481)
  BTM w0.3: LD1.2@40.403,36.872 v1(40.403,37.481)
NetLD2_1: LD2.1 R22.1 | length 1.4
  BTM w0.125: R22.1@2.585,14.759 3.09,14.254 LD2.1@3.09,13.535
NetLD2_2: LD2.2 T2.3 | length 3.4
  BTM w0.125: LD2.2@1.44,13.535 2.964,12.01 v1(3.25,12.01) T2.3@3.25,11.05
NetLD3_1: LD3.1 R62.1 | length 1.3
  TOP w0.125: R62.1@0.985,34.295 0.985,35.296 LD3.1@1.186,35.496
NetLD3_2: LD3.2 T5.3 | length 2.3
  TOP w0.125: LD3.2@1.186,37.146 1.836,36.496 v1(1.836,36.321)
  BTM w0.125: T5.3@0.75,36.1 1.614,36.1 v1(1.836,36.321)
NetLD4_1: LD4.1 R58.1 | length 2
  TOP w0.125: LD4.1@2.586,35.471 3.12,35.471 3.83,34.761 R58.1@3.83,34.295
NetLD4_2: LD4.2 T4.3 | length 5.7
  TOP w0.125: LD4.2@2.586,37.121 2.605,37.102 v1(2.605,36.421)
  BTM w0.125: T4.3@2.05,31.7 2.05,35.866 v1(2.605,36.421)
NetLD7_1: LD7.1 R60.1 | length 2
  TOP w0.125: R60.1@7.04,11.27 8.02,11.27 8.209,11.459 LD7.1@8.209,12.178
NetOSC1_3: OSC1.3 R14.2 | length 1.7
  TOP w0.125: OSC1.3@33.293,14.578 33.293,15.101 33.838,15.647 R14.2@33.838,16.082
NetOSC2_3: OSC2.3 R67.1 | length 2.2
  TOP w0.125: OSC2.3@15.075,32.95 16.075,32.95 16.361,33.236 R67.1@16.361,34.075
nSDO0: C110.2 R66.1 | length 0.9
  TOP w0.1: C110.2@12.812,39.55 R66.1@12.812,40.48
nSDO0_C: C110.1 IC6.26 | length 1.6
  TOP w0.1: C110.1@12.812,38.65 13.461,38 IC6.26@14.15,38
P0V9: C124.2 IC9.3 IC9.5 R85.2 R86.2 R87.2 R88.2 R89.2 R90.2 R91.2 R92.2 R93.2 R94.2 R95.2 R96.2 R97.2 R98.2 R99.2 R100.2 R101.2 R102.2 R103.2 R104.2 R105.2 R106.2 R107.2 R108.2 R109.2 R110.2 | length 34.3
  TOP w0.2: IC9.3@35.488,18.55 36.588,18.55 36.588,18.618 36.576,18.629 35.856,19.35 IC9.5@35.488,19.35 35.488,19.937
  TOP w0.3: R85.2@32.93,33.05 32.93,33.04 R86.2@33.87,32.1 ; R110.2@33.87,20.3 R108.2@33.87,21.283 R106.2@33.87,22.267 ; 35.488,19.937 35.149,20.276 35.022,20.276 34.73,20.568 R109.2@34.73,21.119 R107.2@34.73,22.088 ; C124.2@36.554,18.629 C124.2@36.576,18.629 ; R106.2@33.87,22.267 R104.2@33.87,23.25 R102.2@33.87,24.233 ; R106.2@33.87,22.267 34.551,22.267 R107.2@34.73,22.088 ; R102.2@33.87,24.233 R100.2@33.87,25.217 R98.2@33.87,26.2 ; R102.2@33.87,24.233 34.522,24.233 R103.2@34.73,24.025 ; R98.2@33.87,26.2 R96.2@33.87,27.183 R94.2@33.87,28.167 ; R98.2@33.87,26.2 34.492,26.2 R99.2@34.73,25.963 ; R94.2@33.87,28.167 R92.2@33.87,29.15 R90.2@33.87,30.133 ; R94.2@33.87,28.167 34.463,28.167 R95.2@34.73,27.9 ; R90.2@33.87,30.133 34.434,30.133 R91.2@34.73,29.838 ; R90.2@33.87,30.133 R88.2@33.87,31.117 R86.2@33.87,32.1 ; R86.2@33.87,32.1 34.405,32.1 R87.2@34.73,31.775 R89.2@34.73,30.806 R91.2@34.73,29.838 ; R107.2@34.73,22.088 R105.2@34.73,23.056 R103.2@34.73,24.025 ; R103.2@34.73,24.025 R101.2@34.73,24.994 R99.2@34.73,25.963 ; R99.2@34.73,25.963 R97.2@34.73,26.931 R95.2@34.73,27.9 ; R95.2@34.73,27.9 R93.2@34.73,28.869 R91.2@34.73,29.838
P1V0: C21.1 C22.1 C23.1 C24.1 C25.1 C33.1 C34.1 C35.1 C36.1 C37.1 C38.1 C39.1 C55.1 C56.1 C57.1 IC2.G15 IC2.H12 IC2.H14 IC2.J9 IC2.J11 IC2.J13 IC2.J15 IC2.K10 IC2.L9 IC2.L15 IC2.M10 IC2.N9 IC2.N15 IC2.P10 IC2.R9 IC2.R15 L5.2 L6.2 R51.1 | length 19.6
  TOP w0.3: v1(17.799,18.6) IC2.G15@18.199,19 ; v1(17.799,20.2) IC2.J15@18.199,20.6 ; v1(17.799,21.8) IC2.L15@18.199,22.2 ; v1(17.799,24.2) IC2.N15@18.199,23.8 ; v1(17.799,25.8) IC2.R15@18.199,25.4 ; v1(18.599,19.4) IC2.H14@18.999,19.8 ; v1(19.399,20.2) IC2.J13@19.799,20.6 ; v1(20.199,19.4) IC2.H12@20.599,19.8 ; IC2.J11@21.399,20.6 v1(21.799,20.2) ; IC2.K10@22.199,21.4 v1(22.599,21) ; IC2.M10@22.199,23 v1(22.599,23.4) IC2.N9@22.999,23.8 ; IC2.P10@22.199,24.6 v1(22.599,25) ; IC2.J9@22.999,20.6 v1(23.399,20.2) ; IC2.L9@22.999,22.2 v1(23.399,21.8) ; IC2.R9@22.999,25.4 v1(23.399,25.8)
  BTM w0.2: C56.1@21.983,21.002 22.597,21.002 v1(22.599,21) ; v1(23.399,20.2) v1@23.449,20.25
  BTM w0.3: C22.1@17.014,25.4 17.399,25.4 v1(17.799,25.8) ; C35.1@17.024,19.06 17.339,19.06 v1(17.799,18.6) ; C34.1@17.049,22.51 17.089,22.51 v1(17.799,21.8) ; C39.1@17.099,24.375 17.624,24.375 v1(17.799,24.2) ; C37.1@17.449,21 17.799,20.65 v1(17.799,20.2) ; C33.1@18.599,18.65 v1(18.599,19.4) ; C25.1@20.199,18.85 v1(20.199,19.4) ; C36.1@21.799,19.45 v1(21.799,20.2) ; C57.1@22.549,24.2 22.549,23.45 v1(22.599,23.4) ; v1(22.599,25) 22.849,25.25 C38.1@22.849,25.8 v1(23.399,25.8) ; v1(23.399,21.8) v1@23.449,21.75 ; v1@23.449,20.25 C23.1@24.199,20.25
  other v1: 21.847,10.366 21.847,11.034 22.515,11.034 21.847,11.702
P1V0_EN: IC5.D2 IC10.15 R43.1 | length 2.3
  BTM w0.125: IC10.15@6.9,2.725 6.9,2.375 7.525,1.75 R43.1@7.525,1.545
  BTM w0.3: v1(16.44,5.845) IC5.D2@17.065,6.47
P1V0_L: B1.1 C87.2 C88.2 IC5.D1 IC5.E1 L5.1 L6.1 L7.1
  other v1: 17.08,8.38 17.715,8.38 18.35,8.38 18.365,9.716
P1V2: B4.1 C91.2 C92.2 IC5.A1 IC5.B1 L9.1 L10.1 | length 5.8
  TOP w0.2: B4.1@10.6,9.1 10.615,9.085 L10.1@12.454,9.085
  TOP w0.3: v1(26.242,33.874) 27.226,33.874 v1(28.21,33.874) ; v1(26.251,34.444) 27.235,34.444 v1(28.219,34.444)
  other v1: 13.255,8.38 14.525,8.38 13.24,9.716
P1V2_EN: IC5.B2 IC10.17 R41.1 | length 2.2
  BTM w0.125: R41.1@5.525,1.545 5.9,1.92 IC10.17@5.9,2.725
  BTM w0.3: IC5.B2@14.525,6.47 v1(15.15,5.845)